# Altium PCB 2-quilter-output.PcbDoc (part 4 of 26)
Units mil, origin at the board's own origin, x right, y up, seen from the top; angles counter-clockwise.
Board outline 4130.55 x 4250 mil, 8 copper layers (L1, Ground L2, L3, Power L4, Ground L5, L6, Ground L7, L8), stack 62.985 mil thick; 591 components, 494 nets, 2245 pads, 1508 vias.
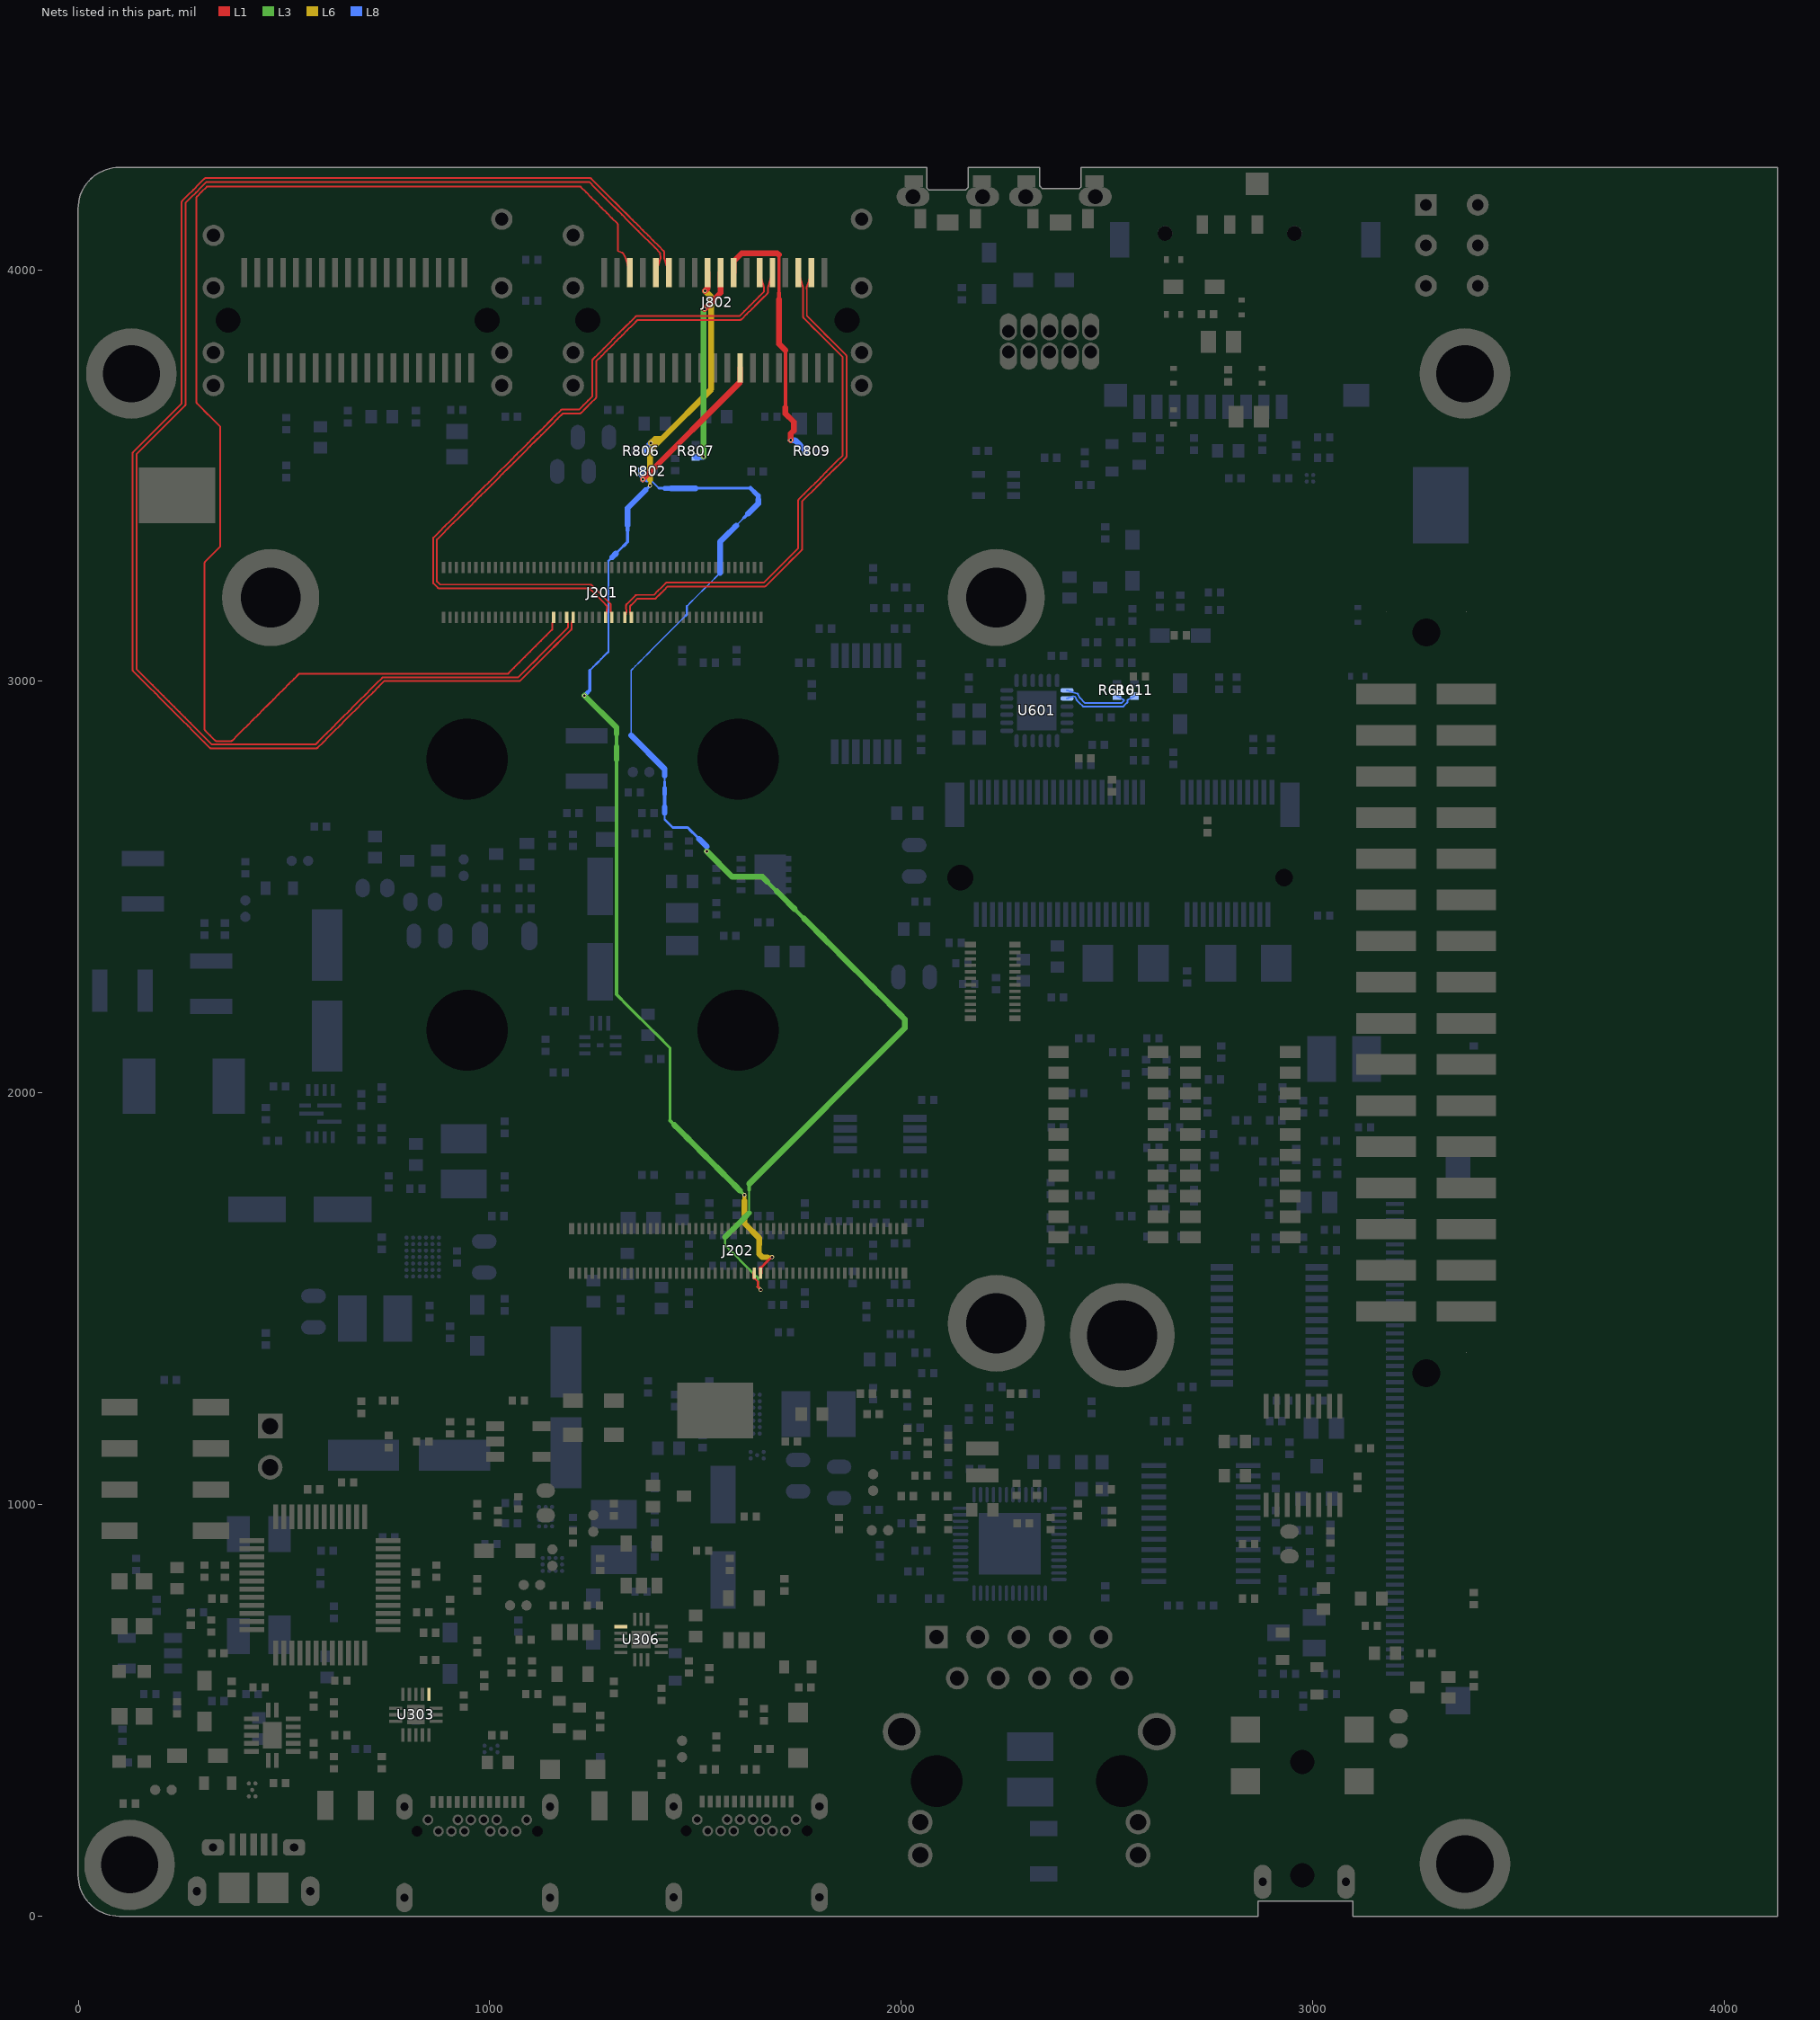
[diagram p10: the nets of this part, all layers, seen from the top]

## Via types
v1: diameter 9.85, hole 5.91, L1 to L8, tented both sides, 1508 vias

## Nets (pads, with @x,y where several pads share a name; then routed paths per layer and width w, separated by ;. In a path a pad name is that pad's centre, name@x,y a point inside that pad or via, vN(x,y) a via of type N, cw(c..) or ccw(c..) an arc to the next point about the centre after c; other vN are vias at no path point) (continued)
CSI_D0_P: J201.35 J802.B3 | length 3532.5
  L1 w4.28: J201.35@1155.52,3155.16 1152.3,3141.13 1152.26,3127.85 1152.26,3127.75 1152.26,3127.63 1152.25,3127.51 1152.24,3127.38 1152.23,3127.26 1152.21,3127.14 1152.19,3127.02 1152.16,3126.9 1152.14,3126.78 1152.11,3126.67 1152.08,3126.55 1152.04,3126.43 1152,3126.32 1151.96,3126.2 1151.91,3126.09 1151.87,3125.98 1151.81,3125.87 1151.76,3125.76 1151.7,3125.65 1151.64,3125.54 1151.58,3125.44 1151.52,3125.33 1151.45,3125.23 1151.38,3125.13 1151.31,3125.03 1151.23,3124.94 1151.15,3124.84 1151.07,3124.75 1150.99,3124.66 1150.91,3124.58 1137.79,3111.46 1124.67,3098.34 1111.55,3085.22 1098.43,3072.11 1085.32,3058.99 1072.2,3045.87 1059.08,3032.75 1045.96,3019.64 1045.89,3019.56 1045.8,3019.48 1045.71,3019.4 1045.61,3019.32 1045.52,3019.24 1045.42,3019.17 1045.32,3019.1 1045.22,3019.03 1045.12,3018.97 1045.01,3018.9 1044.91,3018.84 1044.8,3018.79 1044.69,3018.73 1044.58,3018.68 1044.47,3018.63 1044.35,3018.59 1044.24,3018.55 1044.12,3018.51 1044.01,3018.47 1043.89,3018.44 1043.77,3018.41 1043.65,3018.38 1043.53,3018.36 1043.41,3018.33 1043.29,3018.32 1043.17,3018.3 1043.05,3018.29 1042.93,3018.28 1042.81,3018.28 1042.68,3018.28 1023.94,3018.28 1005.2,3018.28 986.46,3018.28 967.71,3018.28 948.97,3018.28 930.23,3018.28 911.48,3018.28 892.74,3018.28 874,3018.28 855.26,3018.28 836.51,3018.28 817.77,3018.28 799.03,3018.28 780.28,3018.28 761.54,3018.28 742.8,3018.28 724.06,3018.28 705.31,3018.28 686.57,3018.28 667.83,3018.28 649.08,3018.28 630.34,3018.28 611.6,3018.28 592.86,3018.28 574.11,3018.28 555.37,3018.28 536.63,3018.28 524.16,3005.81 511.69,2993.34 499.23,2980.88 486.76,2968.41 474.3,2955.94 461.83,2943.48 449.36,2931.01 436.9,2918.54 424.43,2906.08 411.96,2893.61 399.5,2881.14 387.03,2868.68 374.56,2856.21 374.49,2856.14 374.4,2856.05 374.31,2855.97 374.21,2855.89 374.12,2855.82 374.02,2855.75 373.92,2855.67 373.82,2855.61 373.71,2855.54 373.61,2855.48 373.5,2855.42 373.4,2855.36 373.29,2855.31 373.18,2855.26 373.06,2855.21 372.95,2855.16 372.84,2855.12 372.72,2855.08 372.6,2855.05 372.49,2855.01 372.37,2854.98 372.25,2854.95 372.13,2854.93 372.01,2854.91 371.89,2854.89 371.77,2854.88 371.65,2854.87 371.53,2854.86 371.4,2854.85 371.28,2854.85 353.56,2854.85 335.84,2854.85 335.74,2854.85 335.62,2854.86 335.49,2854.87 335.37,2854.88 335.25,2854.89 335.13,2854.91 335.01,2854.93 334.89,2854.95 334.77,2854.98 334.65,2855.01 334.54,2855.04 334.42,2855.08 334.3,2855.12 334.19,2855.16 334.08,2855.2 333.96,2855.25 333.85,2855.3 333.74,2855.36 333.63,2855.41 333.53,2855.47 333.42,2855.53 333.32,2855.6 333.22,2855.67 333.12,2855.74 333.02,2855.81 332.93,2855.89 332.83,2855.96 332.74,2856.04 332.65,2856.13 332.56,2856.21 320.53,2868.25 308.49,2880.28 308.42,2880.36 308.34,2880.45 308.26,2880.54 308.18,2880.63 308.1,2880.73 308.03,2880.82 307.96,2880.92 307.89,2881.03 307.82,2881.13 307.76,2881.23 307.7,2881.34 307.64,2881.45 307.59,2881.56 307.54,2881.67 307.49,2881.78 307.45,2881.89 307.4,2882.01 307.36,2882.12 307.33,2882.24 307.29,2882.36 307.26,2882.47 307.24,2882.59 307.21,2882.71 307.19,2882.83 307.18,2882.95 307.16,2883.07 307.15,2883.2 307.14,2883.32 307.14,2883.44 307.13,2883.56 307.13,2901.93 307.13,2920.29 307.13,2938.65 307.13,2957.02 307.13,2975.38 307.13,2993.75 307.13,3012.11 307.13,3030.47 307.13,3048.84 307.13,3067.2 307.13,3085.57 307.13,3103.93 307.13,3122.3 307.13,3140.66 307.13,3159.02 307.13,3177.39 307.13,3195.75 307.13,3214.12 307.13,3232.48 307.13,3250.84 307.13,3269.21 307.13,3287.57 307.14,3287.68 307.14,3287.8 307.15,3287.92 307.16,3288.05 307.17,3288.17 307.19,3288.29 307.21,3288.41 307.23,3288.53 307.26,3288.65 307.29,3288.76 307.32,3288.88 307.36,3289 307.4,3289.11 307.44,3289.23 307.49,3289.34 307.53,3289.45 307.58,3289.56 307.64,3289.67 307.69,3289.78 307.75,3289.89 307.82,3289.99 307.88,3290.1 307.95,3290.2 308.02,3290.3 308.09,3290.4 308.17,3290.49 308.25,3290.59 308.33,3290.68 308.41,3290.77 308.49,3290.85 320.51,3302.87 332.53,3314.89 344.54,3326.9 344.54,3345.18 344.54,3363.46 344.54,3381.74 344.54,3400.02 344.54,3418.3 344.54,3436.58 344.54,3454.86 344.54,3473.14 344.54,3491.42 344.54,3509.7 344.54,3527.98 344.54,3546.26 344.54,3564.54 344.54,3582.82 344.54,3601.1 344.54,3619.38 333.36,3630.57 322.17,3641.75 310.99,3652.94 299.8,3664.13 288.61,3675.31 288.54,3675.39 288.46,3675.48 288.38,3675.57 288.3,3675.66 288.22,3675.76 288.15,3675.85 288.08,3675.95 288.01,3676.06 287.94,3676.16 287.88,3676.26 287.82,3676.37 287.77,3676.48 287.71,3676.59 287.66,3676.7 287.61,3676.81 287.57,3676.92 287.52,3677.04 287.48,3677.15 287.45,3677.27 287.42,3677.39 287.38,3677.5 287.36,3677.62 287.33,3677.74 287.31,3677.86 287.3,3677.98 287.28,3678.1 287.27,3678.23 287.26,3678.35 287.26,3678.47 287.26,3678.59 287.26,3696.97 287.26,3715.35 287.26,3733.73 287.26,3752.11 287.26,3770.49 287.26,3788.87 287.26,3807.25 287.26,3825.62 287.26,3844 287.26,3862.38 287.26,3880.76 287.26,3899.14 287.26,3917.52 287.26,3935.9 287.26,3954.28 287.26,3972.66 287.26,3991.04 287.26,4009.42 287.26,4027.79 287.26,4046.17 287.26,4064.55 287.26,4082.93 287.26,4101.31 287.26,4119.69 287.26,4138.07 287.26,4156.45 287.26,4174.83 287.26,4174.93 287.26,4175.06 287.27,4175.18 287.28,4175.3 287.29,4175.42 287.31,4175.54 287.33,4175.66 287.35,4175.78 287.38,4175.9 287.41,4176.02 287.44,4176.14 287.48,4176.25 287.52,4176.37 287.56,4176.48 287.61,4176.6 287.65,4176.71 287.71,4176.82 287.76,4176.93 287.82,4177.04 287.87,4177.14 287.94,4177.25 288,4177.35 288.07,4177.45 288.14,4177.55 288.21,4177.65 288.29,4177.75 288.37,4177.84 288.45,4177.93 288.53,4178.02 288.61,4178.11 300.12,4189.61 311.62,4201.12 311.7,4201.19 311.79,4201.27 311.88,4201.36 311.97,4201.43 312.07,4201.51 312.17,4201.58 312.27,4201.65 312.37,4201.72 312.47,4201.79 312.58,4201.85 312.68,4201.91 312.79,4201.97 312.9,4202.02 313.01,4202.07 313.12,4202.12 313.23,4202.17 313.35,4202.21 313.46,4202.25 313.58,4202.28 313.7,4202.32 313.82,4202.35 313.94,4202.37 314.06,4202.4 314.18,4202.42 314.3,4202.44 314.42,4202.45 314.54,4202.46 314.66,4202.47 314.78,4202.47 314.9,4202.48 333.73,4202.48 352.56,4202.48 371.39,4202.48 390.21,4202.48 409.04,4202.48 427.87,4202.48 446.7,4202.48 465.53,4202.48 484.35,4202.48 503.18,4202.48 522.01,4202.48 540.84,4202.48 559.66,4202.48 578.49,4202.48 597.32,4202.48 616.15,4202.48 634.97,4202.48 653.8,4202.48 672.63,4202.48 691.46,4202.48 710.28,4202.48 729.11,4202.48 747.94,4202.48 766.77,4202.48 785.6,4202.48 804.42,4202.48 823.25,4202.48 842.08,4202.48 860.91,4202.48 879.73,4202.48 898.56,4202.48 917.39,4202.48 936.22,4202.48 955.04,4202.48 973.87,4202.48 992.7,4202.48 1011.53,4202.48 1030.35,4202.48 1049.18,4202.48 1068.01,4202.48 1086.84,4202.48 1105.67,4202.48 1124.49,4202.48 1143.32,4202.48 1162.15,4202.48 1180.98,4202.48 1199.8,4202.48 1218.63,4202.48 1218.74,4202.47 1218.86,4202.47 1218.98,4202.46 1219.1,4202.45 1219.22,4202.44 1219.35,4202.42 1219.47,4202.4 1219.59,4202.38 1219.7,4202.35 1219.82,4202.32 1219.94,4202.29 1220.06,4202.25 1220.17,4202.21 1220.29,4202.17 1220.4,4202.13 1220.51,4202.08 1220.62,4202.03 1220.73,4201.97 1220.84,4201.92 1220.95,4201.86 1221.05,4201.79 1221.16,4201.73 1221.26,4201.66 1221.36,4201.59 1221.45,4201.52 1221.55,4201.44 1221.64,4201.36 1221.73,4201.28 1221.82,4201.2 1221.91,4201.12 1234.5,4188.53 1247.09,4175.94 1259.68,4163.35 1272.26,4150.76 1284.85,4138.18 1297.44,4125.59 1310.03,4113 1310.1,4112.92 1310.19,4112.83 1310.27,4112.74 1310.35,4112.65 1310.42,4112.55 1310.49,4112.46 1310.57,4112.36 1310.63,4112.26 1310.7,4112.15 1310.76,4112.05 1310.82,4111.94 1310.88,4111.83 1310.93,4111.72 1310.98,4111.61 1311.03,4111.5 1311.08,4111.39 1311.12,4111.27 1311.16,4111.16 1311.2,4111.04 1311.23,4110.92 1311.26,4110.81 1311.29,4110.69 1311.31,4110.57 1311.33,4110.45 1311.35,4110.33 1311.36,4110.21 1311.37,4110.08 1311.38,4109.96 1311.39,4109.84 1311.39,4109.72 1311.39,4093.7 1311.39,4077.68 1311.39,4061.66 1311.39,4045.64 1321.51,4042.18 1321.58,4042.16 1321.69,4042.12 1321.81,4042.07 1321.92,4042.02 1322.03,4041.97 1322.14,4041.91 1322.25,4041.86 1322.35,4041.8 1322.46,4041.73 1322.56,4041.67 1322.66,4041.6 1322.76,4041.53 1322.86,4041.45 1322.95,4041.38 1323.04,4041.3 1323.14,4041.22 1323.22,4041.13 1323.31,4041.05 1323.4,4040.96 1323.48,4040.87 1323.56,4040.78 1323.63,4040.68 1323.71,4040.59 1323.78,4040.49 1323.85,4040.39 1323.92,4040.29 1323.98,4040.18 1329.25,4031.4 1333.18,4018.77 1337.1,4006.14 J802.B3@1341.03,3993.5
CSI_D1_N: J201.39 J802.B5 | length 3744.6
  L1 w4.28: J201.39@1187.02,3155.16 1190.26,3141.19 1190.14,3130.48 1176.71,3117.05 1163.29,3103.62 1149.86,3090.19 1136.43,3076.76 1123,3063.34 1109.57,3049.91 1096.15,3036.48 1082.72,3023.05 1069.29,3009.62 1051.09,3009.62 1032.88,3009.62 1014.68,3009.62 996.48,3009.62 978.28,3009.62 960.07,3009.62 941.87,3009.62 923.67,3009.62 905.46,3009.62 887.26,3009.62 869.06,3009.62 850.86,3009.62 832.65,3009.62 814.45,3009.62 796.25,3009.62 778.04,3009.62 759.84,3009.62 741.64,3009.62 741.52,3009.62 741.4,3009.62 741.27,3009.61 741.15,3009.6 741.03,3009.58 740.91,3009.57 740.79,3009.55 740.67,3009.52 740.55,3009.49 740.43,3009.46 740.32,3009.43 740.2,3009.39 740.08,3009.36 739.97,3009.31 739.86,3009.27 739.74,3009.22 739.63,3009.17 739.53,3009.11 739.42,3009.06 739.31,3009 739.21,3008.93 739.1,3008.87 739,3008.8 738.9,3008.73 738.81,3008.66 738.71,3008.58 738.62,3008.5 738.52,3008.42 738.43,3008.34 738.36,3008.26 724.88,2994.78 711.39,2981.3 697.91,2967.82 684.43,2954.33 670.94,2940.85 657.46,2927.37 643.98,2913.88 630.49,2900.4 617.01,2886.92 603.53,2873.43 590.04,2859.95 576.56,2846.47 558.57,2846.47 540.58,2846.47 522.6,2846.47 504.61,2846.47 486.62,2846.47 468.64,2846.47 450.65,2846.47 432.66,2846.47 414.67,2846.47 396.69,2846.47 378.7,2846.47 360.71,2846.47 342.73,2846.47 324.74,2846.47 311.65,2859.56 298.56,2872.65 285.47,2885.74 272.37,2898.83 259.28,2911.92 246.19,2925.01 233.1,2938.1 220.01,2951.19 206.92,2964.28 193.83,2977.38 180.74,2990.47 167.65,3003.56 154.55,3016.65 141.46,3029.74 141.46,3048.39 141.46,3067.05 141.46,3085.7 141.46,3104.35 141.46,3123.01 141.46,3141.66 141.46,3160.31 141.46,3178.97 141.46,3197.62 141.46,3216.27 141.46,3234.93 141.46,3253.58 141.46,3272.23 141.46,3290.88 141.46,3309.54 141.46,3328.19 141.46,3346.84 141.46,3365.5 141.46,3384.15 141.46,3402.8 141.46,3421.46 141.46,3440.11 141.46,3458.76 141.46,3477.42 141.46,3496.07 141.46,3514.72 141.46,3533.38 141.46,3552.03 154.56,3565.13 167.67,3578.23 180.77,3591.33 193.87,3604.43 206.97,3617.53 220.07,3630.63 233.17,3643.73 246.27,3656.84 259.37,3669.94 259.46,3670.02 259.54,3670.11 259.62,3670.2 259.7,3670.3 259.77,3670.39 259.84,3670.49 259.92,3670.59 259.98,3670.69 260.05,3670.8 260.11,3670.9 260.17,3671.01 260.23,3671.12 260.28,3671.23 260.33,3671.34 260.38,3671.45 260.42,3671.56 260.47,3671.68 260.5,3671.79 260.54,3671.91 260.57,3672.03 260.6,3672.14 260.63,3672.26 260.65,3672.38 260.67,3672.5 260.69,3672.62 260.7,3672.74 260.72,3672.87 260.72,3672.99 260.73,3673.11 260.73,3673.22 260.73,3692.04 260.73,3710.86 260.73,3729.68 260.73,3748.49 260.73,3767.31 260.73,3786.13 260.73,3804.95 260.73,3823.77 260.73,3842.59 260.73,3861.41 260.73,3880.23 260.73,3899.05 260.73,3917.87 260.73,3936.69 260.73,3955.51 260.73,3974.33 260.73,3993.15 260.73,4011.97 260.73,4030.78 260.73,4049.6 260.73,4068.42 260.73,4087.24 260.73,4106.06 260.73,4124.88 260.73,4143.7 260.73,4162.52 273.45,4175.24 286.18,4187.97 298.9,4200.69 311.63,4213.42 330.61,4213.42 349.6,4213.42 368.58,4213.42 387.57,4213.42 406.56,4213.42 425.54,4213.42 444.53,4213.42 463.51,4213.42 482.5,4213.42 501.49,4213.42 520.47,4213.42 539.46,4213.42 558.44,4213.42 577.43,4213.42 596.41,4213.42 615.4,4213.42 634.39,4213.42 653.37,4213.42 672.36,4213.42 691.34,4213.42 710.33,4213.42 729.32,4213.42 748.3,4213.42 767.29,4213.42 786.27,4213.42 805.26,4213.42 824.25,4213.42 843.23,4213.42 862.22,4213.42 881.2,4213.42 900.19,4213.42 919.17,4213.42 938.16,4213.42 957.15,4213.42 976.13,4213.42 995.12,4213.42 1014.1,4213.42 1033.09,4213.42 1052.08,4213.42 1071.06,4213.42 1090.05,4213.42 1109.03,4213.42 1128.02,4213.42 1147,4213.42 1165.99,4213.42 1184.98,4213.42 1203.96,4213.42 1222.95,4213.42 1241.93,4213.42 1255.23,4200.12 1268.53,4186.82 1281.83,4173.53 1295.12,4160.23 1308.42,4146.93 1321.72,4133.63 1335.01,4120.34 1348.31,4107.04 1361.61,4093.74 1374.91,4080.44 1388.2,4067.15 1401.5,4053.85 1414.8,4040.55 1415.13,4028.89 1409.57,4011.19 J802.B5@1404.02,3993.5
CSI_D1_P: J201.41 J802.B6 | length 3804.4
  L1 w4.28: J201.41@1202.76,3155.16 1199.54,3141.09 1199.4,3128.48 1199.4,3128.43 1199.4,3128.3 1199.39,3128.18 1199.38,3128.06 1199.36,3127.94 1199.35,3127.82 1199.33,3127.7 1199.3,3127.58 1199.28,3127.46 1199.25,3127.34 1199.21,3127.22 1199.18,3127.11 1199.14,3126.99 1199.1,3126.88 1199.05,3126.76 1199,3126.65 1198.95,3126.54 1198.9,3126.43 1198.84,3126.32 1198.78,3126.22 1198.72,3126.11 1198.65,3126.01 1198.59,3125.91 1198.52,3125.81 1198.44,3125.71 1198.37,3125.61 1198.29,3125.52 1198.21,3125.43 1198.13,3125.34 1198.04,3125.25 1185.69,3112.9 1173.33,3100.54 1160.98,3088.19 1148.62,3075.83 1136.27,3063.48 1123.91,3051.12 1111.56,3038.77 1099.2,3026.41 1086.85,3014.06 1074.49,3001.7 1074.42,3001.63 1074.33,3001.54 1074.24,3001.46 1074.14,3001.39 1074.05,3001.31 1073.95,3001.24 1073.85,3001.17 1073.75,3001.1 1073.65,3001.03 1073.54,3000.97 1073.43,3000.91 1073.33,3000.85 1073.22,3000.8 1073.11,3000.75 1072.99,3000.7 1072.88,3000.65 1072.77,3000.61 1072.65,3000.57 1072.54,3000.54 1072.42,3000.5 1072.3,3000.47 1072.18,3000.45 1072.06,3000.42 1071.94,3000.4 1071.82,3000.38 1071.7,3000.37 1071.58,3000.36 1071.46,3000.35 1071.33,3000.35 1071.21,3000.34 1053.01,3000.34 1034.81,3000.34 1016.6,3000.34 998.4,3000.34 980.2,3000.34 962,3000.34 943.79,3000.34 925.59,3000.34 907.39,3000.34 889.18,3000.34 870.98,3000.34 852.78,3000.34 834.58,3000.34 816.37,3000.34 798.17,3000.34 779.97,3000.34 761.76,3000.34 743.56,3000.34 730.08,2986.86 716.59,2973.38 703.11,2959.89 689.63,2946.41 676.15,2932.93 662.66,2919.44 649.18,2905.96 635.7,2892.48 622.21,2878.99 608.73,2865.51 595.25,2852.03 581.76,2838.54 581.69,2838.47 581.6,2838.39 581.5,2838.31 581.41,2838.23 581.32,2838.15 581.22,2838.08 581.12,2838.01 581.02,2837.94 580.91,2837.87 580.81,2837.81 580.7,2837.75 580.6,2837.7 580.49,2837.64 580.38,2837.59 580.26,2837.54 580.15,2837.5 580.04,2837.45 579.92,2837.41 579.8,2837.38 579.69,2837.34 579.57,2837.32 579.45,2837.29 579.33,2837.26 579.21,2837.24 579.09,2837.23 578.97,2837.21 578.85,2837.2 578.72,2837.19 578.6,2837.19 578.48,2837.19 560.22,2837.19 541.96,2837.19 523.7,2837.19 505.43,2837.19 487.17,2837.19 468.91,2837.19 450.65,2837.19 432.39,2837.19 414.13,2837.19 395.86,2837.19 377.6,2837.19 359.34,2837.19 341.08,2837.19 322.82,2837.19 322.71,2837.19 322.59,2837.19 322.47,2837.2 322.34,2837.21 322.22,2837.22 322.1,2837.24 321.98,2837.26 321.86,2837.28 321.74,2837.31 321.62,2837.34 321.51,2837.37 321.39,2837.41 321.28,2837.45 321.16,2837.49 321.05,2837.54 320.94,2837.58 320.82,2837.64 320.71,2837.69 320.61,2837.75 320.5,2837.8 320.4,2837.87 320.29,2837.93 320.19,2838 320.09,2838.07 319.99,2838.14 319.9,2838.22 319.8,2838.3 319.71,2838.38 319.62,2838.46 319.54,2838.54 306.25,2851.83 292.96,2865.11 279.68,2878.4 266.39,2891.69 253.11,2904.97 239.82,2918.26 226.54,2931.54 213.25,2944.83 199.97,2958.11 186.68,2971.4 173.4,2984.68 160.11,2997.97 146.83,3011.25 133.54,3024.54 133.47,3024.61 133.38,3024.7 133.3,3024.79 133.23,3024.89 133.15,3024.98 133.08,3025.08 133.01,3025.18 132.94,3025.28 132.87,3025.39 132.81,3025.49 132.75,3025.6 132.69,3025.7 132.64,3025.81 132.59,3025.92 132.54,3026.04 132.49,3026.15 132.45,3026.26 132.41,3026.38 132.38,3026.5 132.34,3026.61 132.31,3026.73 132.29,3026.85 132.26,3026.97 132.24,3027.09 132.22,3027.21 132.21,3027.33 132.2,3027.45 132.19,3027.57 132.19,3027.7 132.18,3027.82 132.18,3046.61 132.18,3065.4 132.18,3084.19 132.18,3102.98 132.18,3121.77 132.18,3140.56 132.18,3159.35 132.18,3178.14 132.18,3196.93 132.18,3215.72 132.18,3234.51 132.18,3253.3 132.18,3272.09 132.18,3290.89 132.18,3309.68 132.18,3328.47 132.18,3347.26 132.18,3366.05 132.18,3384.84 132.18,3403.63 132.18,3422.42 132.18,3441.21 132.18,3460 132.18,3478.79 132.18,3497.58 132.18,3516.37 132.18,3535.16 132.18,3553.95 132.19,3554.06 132.19,3554.18 132.2,3554.3 132.21,3554.42 132.22,3554.55 132.24,3554.67 132.26,3554.79 132.28,3554.91 132.31,3555.02 132.34,3555.14 132.37,3555.26 132.41,3555.38 132.45,3555.49 132.49,3555.61 132.53,3555.72 132.58,3555.83 132.63,3555.94 132.69,3556.05 132.74,3556.16 132.8,3556.27 132.87,3556.37 132.93,3556.48 133,3556.58 133.07,3556.68 133.14,3556.77 133.22,3556.87 133.29,3556.96 133.37,3557.06 133.46,3557.15 133.54,3557.23 146.64,3570.33 159.74,3583.43 172.84,3596.53 185.95,3609.64 199.05,3622.74 212.15,3635.84 225.25,3648.94 238.35,3662.04 251.45,3675.14 251.45,3693.96 251.45,3712.78 251.45,3731.6 251.45,3750.42 251.45,3769.24 251.45,3788.06 251.45,3806.87 251.45,3825.69 251.45,3844.51 251.45,3863.33 251.45,3882.15 251.45,3900.97 251.45,3919.79 251.45,3938.61 251.45,3957.43 251.45,3976.25 251.45,3995.07 251.45,4013.89 251.45,4032.71 251.45,4051.53 251.45,4070.35 251.45,4089.16 251.45,4107.98 251.45,4126.8 251.45,4145.62 251.45,4164.44 251.45,4164.55 251.45,4164.67 251.46,4164.79 251.47,4164.91 251.49,4165.04 251.5,4165.16 251.52,4165.28 251.55,4165.4 251.57,4165.52 251.6,4165.63 251.64,4165.75 251.67,4165.87 251.71,4165.98 251.75,4166.1 251.8,4166.21 251.85,4166.32 251.9,4166.43 251.95,4166.54 252.01,4166.65 252.07,4166.76 252.13,4166.86 252.2,4166.97 252.26,4167.07 252.33,4167.17 252.41,4167.27 252.48,4167.36 252.56,4167.45 252.64,4167.55 252.72,4167.64 252.81,4167.72 266.21,4181.13 279.62,4194.53 293.02,4207.94 306.42,4221.34 306.5,4221.41 306.59,4221.5 306.68,4221.58 306.77,4221.66 306.87,4221.73 306.97,4221.8 307.07,4221.88 307.17,4221.94 307.27,4222.01 307.38,4222.07 307.48,4222.13 307.59,4222.19 307.7,4222.24 307.81,4222.29 307.92,4222.34 308.04,4222.39 308.15,4222.43 308.27,4222.47 308.38,4222.51 308.5,4222.54 308.62,4222.57 308.74,4222.6 308.86,4222.62 308.98,4222.64 309.1,4222.66 309.22,4222.67 309.34,4222.68 309.46,4222.69 309.58,4222.7 309.7,4222.7 328.77,4222.7 347.83,4222.7 366.9,4222.7 385.96,4222.7 405.03,4222.7 424.09,4222.7 443.15,4222.7 462.22,4222.7 481.28,4222.7 500.35,4222.7 519.41,4222.7 538.48,4222.7 557.54,4222.7 576.61,4222.7 595.67,4222.7 614.73,4222.7 633.8,4222.7 652.86,4222.7 671.93,4222.7 690.99,4222.7 710.06,4222.7 729.12,4222.7 748.18,4222.7 767.25,4222.7 786.31,4222.7 805.38,4222.7 824.44,4222.7 843.51,4222.7 862.57,4222.7 881.63,4222.7 900.7,4222.7 919.76,4222.7 938.83,4222.7 957.89,4222.7 976.96,4222.7 996.02,4222.7 1015.08,4222.7 1034.15,4222.7 1053.21,4222.7 1072.28,4222.7 1091.34,4222.7 1110.41,4222.7 1129.47,4222.7 1148.53,4222.7 1167.6,4222.7 1186.66,4222.7 1205.73,4222.7 1224.79,4222.7 1243.86,4222.7 1243.96,4222.7 1244.09,4222.69 1244.21,4222.68 1244.33,4222.67 1244.45,4222.66 1244.57,4222.64 1244.69,4222.62 1244.81,4222.6 1244.93,4222.57 1245.05,4222.54 1245.16,4222.51 1245.28,4222.47 1245.4,4222.43 1245.51,4222.39 1245.62,4222.35 1245.74,4222.3 1245.85,4222.25 1245.96,4222.19 1246.07,4222.14 1246.17,4222.08 1246.28,4222.02 1246.38,4221.95 1246.48,4221.88 1246.58,4221.81 1246.68,4221.74 1246.77,4221.66 1246.87,4221.59 1246.96,4221.51 1247.05,4221.42 1247.14,4221.34 1259.67,4208.8 1272.21,4196.26 1284.75,4183.73 1297.29,4171.19 1309.83,4158.65 1322.36,4146.11 1334.9,4133.57 1347.44,4121.04 1359.98,4108.5 1372.52,4095.96 1385.05,4083.42 1397.59,4070.89 1410.13,4058.35 1422.67,4045.81 1422.74,4045.74 1422.82,4045.65 1422.9,4045.56 1422.98,4045.47 1423.05,4045.37 1423.13,4045.27 1423.2,4045.17 1423.27,4045.07 1423.33,4044.97 1423.39,4044.86 1423.45,4044.76 1423.51,4044.65 1423.57,4044.54 1423.62,4044.43 1423.67,4044.32 1423.71,4044.21 1423.75,4044.09 1423.79,4043.98 1423.83,4043.86 1423.86,4043.74 1423.89,4043.62 1423.92,4043.51 1423.95,4043.39 1423.97,4043.27 1423.98,4043.14 1424,4043.02 1424.01,4042.9 1424.02,4042.78 1424.02,4042.66 1424.4,4029.15 1429.96,4011.32 J802.B6@1435.52,3993.5